# KiCad board DecentXE-Modern.kicad_pcb (continued)
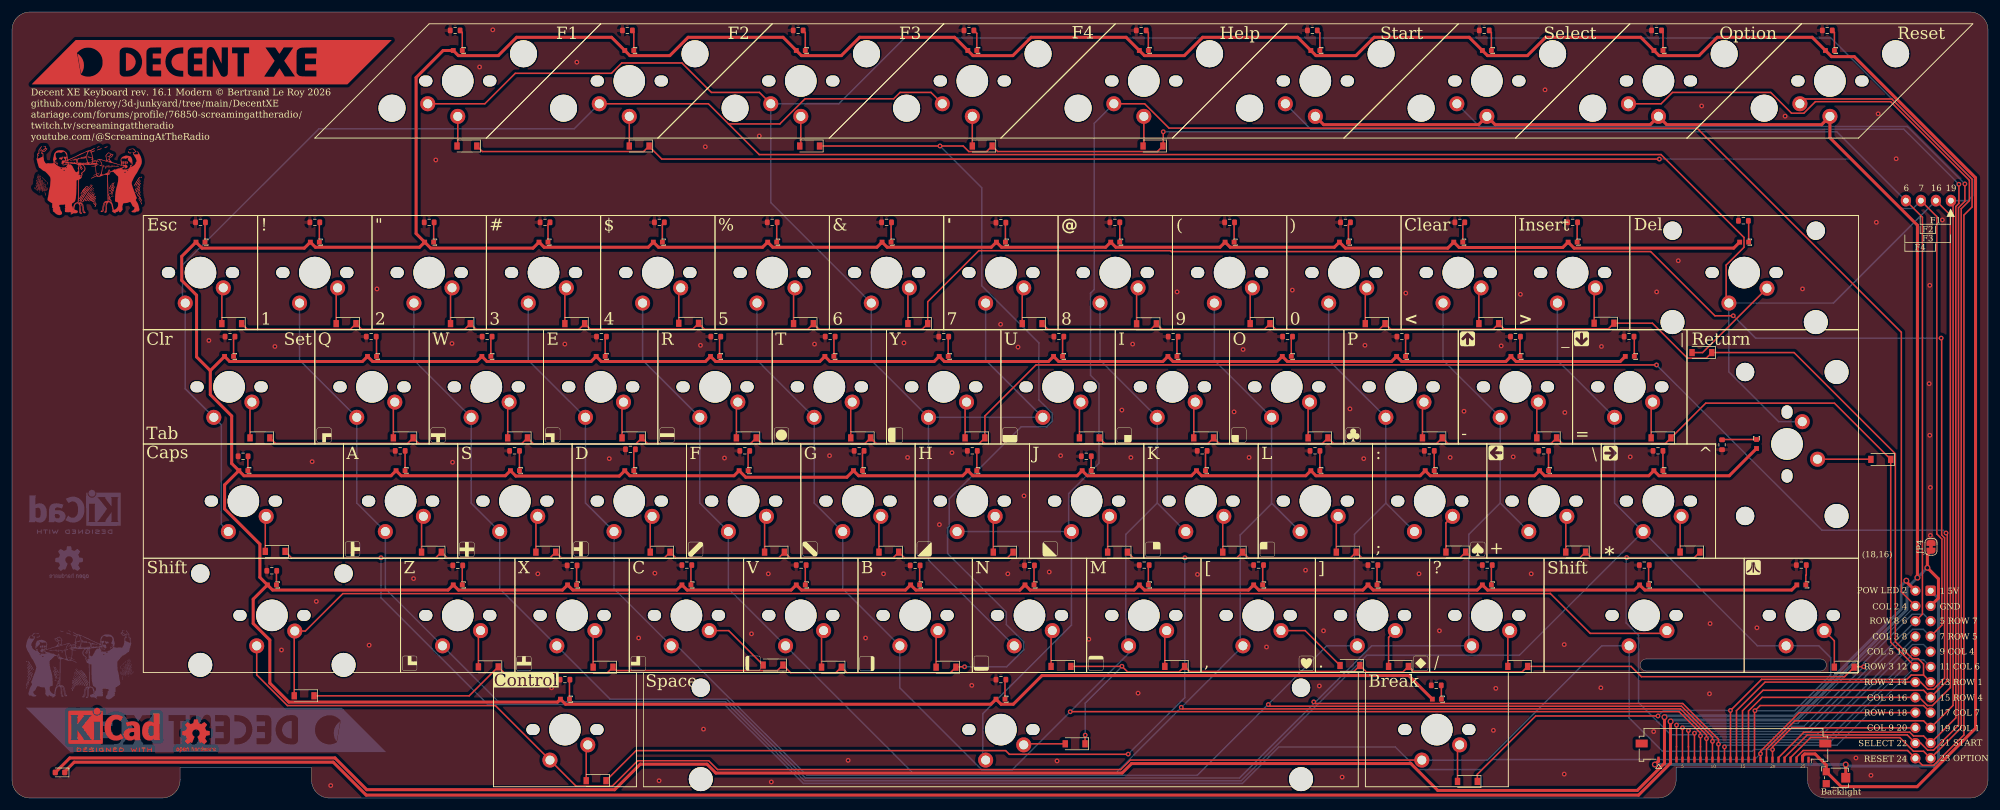
[diagram p0: board, top side]
## Nets (continued)
Net-(D109-A): D109.2 SWSlash1.2
Net-(D110-A): D110.2 SWX1.2
Net-(D111-A): D111.2 SWGT1.2
Net-(D112-A): D112.2 SW1.2
Net-(D113-A): D113.2 SWEqual1.2
Net-(D114-A): D114.2 SWQ1.2
Net-(D115-A): D115.2 SWStar1.2
Net-(D116-A): D116.2 SWA1.2
Net-(D117-A): D117.2 SWInv1.2
Net-(D118-A): D118.2 SWZ1.2
Net-(D119-A): D119.2 SWDel1.2
Net-(D120-A): D120.2 SWEsc1.2
Net-(D121-A): D121.2 SWRet1.2
Net-(D122-A): D122.2 SWTab1.2
Net-(D123-A): D123.2 SWFn2.2
Net-(D124-A): D124.2 SWCps1.2
Net-(D125-A): D125.2 SWFn4.2
Net-(D126-A): D126.2 SWBrk1.2
Net-(D127-A): D127.2 SWCtl1.2
Net-(D128-A): D128.2 SWLeftSft1.2 SWRightSft1.2
Net-(R1-Pad1): R1.1 SW7.3
Net-(R2-Pad1): R2.1 SW6.3
Net-(R3-Pad1): R3.1 SWU1.3
Net-(R4-Pad1): R4.1 SWY1.3
Net-(R5-Pad1): R5.1 SWFn1.3
Net-(R6-Pad1): R6.1 SWN1.3
Net-(R7-Pad1): R7.1 SWFn3.3
Net-(R8-Pad1): R8.1 SWJ1.3
Net-(R9-Pad1): R9.1 SWH1.3
Net-(R10-Pad1): R10.1 SWSpc1.3
Net-(R11-Pad1): R11.1 SWHlp1.3
Net-(R12-Pad1): R12.1 SW8.3
Net-(R13-Pad1): R13.1 SW5.3
Net-(R14-Pad1): R14.1 SWI1.3
Net-(R15-Pad1): R15.1 SWT1.3
Net-(R16-Pad1): R16.1 SWK1.3
Net-(R17-Pad1): R17.1 SWG1.3
Net-(R18-Pad1): R18.1 SWM1.3
Net-(R19-Pad1): R19.1 SWB1.3
Net-(R20-Pad1): R20.1 SW9.3
Net-(R21-Pad1): R21.1 SW4.3
Net-(R22-Pad1): R22.1 SWO1.3
Net-(R23-Pad1): R23.1 SWR1.3
Net-(R24-Pad1): R24.1 SWL1.3
Net-(R25-Pad1): R25.1 SWF1.3
Net-(R26-Pad1): R26.1 SWComma1.3
Net-(R27-Pad1): R27.1 SWV1.3
Net-(R28-Pad1): R28.1 SW0.3
Net-(R29-Pad1): R29.1 SW3.3
Net-(R30-Pad1): R30.1 SWP1.3
Net-(R31-Pad1): R31.1 SWE1.3
Net-(R32-Pad1): R32.1 SWSemi1.3
Net-(R33-Pad1): R33.1 SWD1.3
Net-(R34-Pad1): R34.1 SWPeriod1.3
Net-(R35-Pad1): R35.1 SWC1.3
Net-(R36-Pad1): R36.1 SWLT1.3
Net-(R37-Pad1): R37.1 SW2.3
Net-(R38-Pad1): R38.1 SWDash1.3
Net-(R39-Pad1): R39.1 SWW1.3
Net-(R40-Pad1): R40.1 SWPlus1.3
Net-(R41-Pad1): R41.1 SWS1.3
Net-(R42-Pad1): R42.1 SWSlash1.3
Net-(R43-Pad1): R43.1 SWX1.3
Net-(R44-Pad1): R44.1 SWGT1.3
Net-(R45-Pad1): R45.1 SW1.3
Net-(R46-Pad1): R46.1 SWEqual1.3
Net-(R47-Pad1): R47.1 SWQ1.3
Net-(R48-Pad1): R48.1 SWStar1.3
Net-(R49-Pad1): R49.1 SWA1.3
Net-(R50-Pad1): R50.1 SWInv1.3
Net-(R51-Pad1): R51.1 SWZ1.3
Net-(R52-Pad1): R52.1 SWDel1.3
Net-(R53-Pad1): R53.1 SWEsc1.3
Net-(R54-Pad1): R54.1 SWRet1.3
Net-(R55-Pad1): R55.1 SWTab1.3
Net-(R56-Pad1): R56.1 SWFn2.3
Net-(R57-Pad1): R57.1 SWCps1.3
Net-(R58-Pad1): R58.1 SWFn4.3
Net-(R59-Pad1): R59.1 SWRightSft1.3
Net-(R60-Pad1): R60.1 SWBrk1.3
Net-(R61-Pad1): R61.1 SWCtl1.3
Net-(R62-Pad1): R62.1 SWLeftSft1.3
Net-(R63-Pad1): R63.1 SWStart1.3
Net-(R64-Pad1): R64.1 SWSelect1.3
Net-(R65-Pad1): R65.1 SWOption1.3
Net-(R66-Pad1): R66.1 SWReset1.3

Pads without a net: J2 MP; RV1 3

## Via types
v1: diameter 1, hole 0.6, Top to Bottom, 7 vias
v2: diameter 0.8, hole 0.4, Top to Bottom, 139 vias

## Routing (per net, layer and track width the routed paths; a pad name or vN(x,y) marks a point on that pad's centre or on a via; arc(x,y) is an arc through that point)
GND: length 518
  Top w0.5: v1(276.32,12.76) 276.3,12.74 J2.3 276.3,5.8 270.98,0.48 59.01,0.48 53.51,5.98 10.36,5.98 8.79,4.41 ; SWStart1.2 218.52,112.26 244.33,112.26 SWSelect1.2 247.1,112.26 272.91,112.26 SWOption1.2 275.69,112.26 301.48,112.26 SWReset1.2 302.86,110.08 317.44,95.5 v1(317.44,36.74) ; JP4.1 319.1,40.63 v1(319.1,38.38) 320.94,36.54 320.94,33.32 J1.3
  Bottom w0.5: v1(276.32,12.76) 276.57,13.01 297.28,13.01 315.69,31.42 315.69,34.99 v1(317.44,36.74) 319.08,38.38 v1(319.1,38.38)
VCC_LED: length 1770.5
  Top w0.5: SW2.4 67.9,91.83 50.55,91.83 SW1.4 48.7,91.68 31.65,91.68 SWEsc1.4 28.27,90.3 28.27,86.31 30.75,83.83 30.75,73.54 33.04,71.25 ; SW2.4 69.75,91.68 86.8,91.68 SW3.4 88.65,91.83 106,91.83 SW4.4 107.7,91.83 125.05,91.83 SW5.4 126.75,91.83 144.1,91.83 SW6.4 145.8,91.83 163.15,91.83 SW7.4 164.85,91.83 182.2,91.83 SW8.4 183.9,91.83 201.25,91.83 SW9.4 202.95,91.83 220.3,91.83 SW0.4 222.15,91.68 239.2,91.68 SWLT1.4 241.1,91.78 258.35,91.78 SWGT1.4 260.25,91.68 286.82,91.68 SWDel1.4 ; SW2.4 67.32,94.11 67.32,120.12 71.83,124.63 SWFn1.4 74.36,123.78 81.02,123.78 84.07,126.84 99.88,126.84 SWFn2.4 102.94,123.78 109.59,123.78 112.65,126.84 128.46,126.84 SWFn3.4 131.51,123.78 138.17,123.78 141.22,126.84 157.03,126.84 SWFn4.4 160.09,123.78 166.74,123.78 169.8,126.84 185.61,126.84 SWHlp1.4 188.66,123.78 195.32,123.78 198.37,126.84 214.18,126.84 SWStart1.4 217.24,123.78 223.89,123.78 226.95,126.84 242.76,126.84 SWSelect1.4 245.81,123.78 252.47,123.78 255.52,126.84 271.34,126.84 SWOption1.4 274.4,123.78 281.05,123.78 284.11,126.84 299.91,126.84 SWReset1.4 303.14,123.61 306.92,123.61 327.13,103.4 327.13,11.63 317.38,1.88 304.76,1.88 RV1.1 302.25,5.48 300.39,7.34 298.65,7.34 298.3,6.99 J2.25 ; SWCps1.4 38.64,53.73 63.14,53.73 SWA1.4 64.84,53.73 82.19,53.73 SWS1.4 83.94,53.68 101.19,53.68 SWD1.4 102.94,53.73 120.29,53.73 SWF1.4 122.24,53.48 139.09,53.48 SWG1.4 141.04,53.73 158.39,53.73 SWH1.4 160.09,53.73 177.44,53.73 SWJ1.4 179.14,53.73 196.49,53.73 SWK1.4 198.19,53.73 215.54,53.73 SWL1.4 217.24,53.73 234.59,53.73 SWSemi1.4 236.29,53.73 253.64,53.73 SWPlus1.4 255.34,53.73 272.69,53.73 SWStar1.4 274.39,53.73 286.09,53.73 SWRet1.4 ; SWCps1.4 35.42,52.2 35.42,48.21 41.3,42.33 41.3,36.79 SWLeftSft1.4 ; SWCps1.4 36.6,55.77 36.6,63.69 33.04,67.26 33.04,71.25 ; 33.04,71.25 SWTab1.4 36.26,72.78 58.37,72.78 SWQ1.4 60.08,72.78 77.42,72.78 SWW1.4 79.13,72.78 96.47,72.78 SWE1.4 98.18,72.78 115.52,72.78 SWR1.4 117.23,72.78 134.57,72.78 SWT1.4 136.28,72.78 153.62,72.78 SWY1.4 155.33,72.78 172.67,72.78 SWU1.4 174.38,72.78 191.72,72.78 SWI1.4 193.43,72.78 210.77,72.78 SWO1.4 212.48,72.78 229.82,72.78 SWP1.4 231.53,72.78 248.87,72.78 SWDash1.4 250.58,72.78 267.92,72.78 SWEqual1.4 ; SWLeftSft1.4 43.41,34.68 72.66,34.68 SWZ1.4 74.36,34.68 91.71,34.68 SWX1.4 93.41,34.68 110.76,34.68 SWC1.4 112.46,34.68 129.81,34.68 SWV1.4 131.51,34.68 148.86,34.68 SWB1.4 150.56,34.68 167.91,34.68 SWN1.4 169.61,34.68 186.96,34.68 SWM1.4 188.66,34.68 206.01,34.68 SWComma1.4 207.71,34.68 225.06,34.68 SWPeriod1.4 226.76,34.68 244.11,34.68 SWSlash1.4 245.81,34.68 270.31,34.68 SWRightSft1.4 272.01,34.68 296.5,34.68 SWInv1.4 ; SWLeftSft1.4 40.18,33.15 40.18,29.1 42.95,26.33 42.95,19.16 46.12,15.99 90.88,15.99 SWCtl1.4 92.22,15.63 163.08,15.63 SWSpc1.4 164.79,15.63 166.81,15.63 171.59,20.41 232.7,20.41 SWBrk1.4
COL_1: length 553.9
  Top w0.25: 323.38,99.23 323.38,15.44 J1.19 318.46,12.88 297.03,12.88 292.3,8.14 J2.19 ; SWFn3.1 124.52,117.64 116.52,117.64 111.61,122.55 101.59,122.55 99.87,120.83 83.85,120.83 78.77,115.75 SWFn1.1
  Bottom w0.25: 152.69,63.47 SWU1.1 162.21,72.99 SW7.1 ; 152.69,63.47 152.69,39.66 SWN1.1 ; 152.69,63.47 143.16,72.99 SW6.1 126.41,99.27 SWFn3.1 137.74,115.75 148.7,126.71 303.04,126.71 326.68,103.07 326.68,100.43 325.84,99.6 J3.1
COL_2: length 385.3
  Top w0.25: J2.4 277.3,8.53 277.31,8.54 v2(277.31,12.16) ; J1.4 314.76,34.36 314.76,77.65 280.72,111.69 192.75,111.69 188.69,115.75 SWHlp1.1
  Bottom w0.25: SWH1.1 SWJ1.1 176.5,28.82 161.75,14.07 161.75,6.78 ; SWHlp1.1 180.3,112.49 180.3,84.79 179.68,84.17 179.68,70.48 181.08,69.08 181.08,55.79 176.04,50.74 176.04,44.88 ; J1.4 297.51,12.44 277.58,12.44 v2(277.31,12.16)
COL_3: length 350.2
  Top w0.25: J2.8 281.3,8.53 v2(281.3,10.36) 281.3,10.83 277.73,14.4 176.32,14.4 v2(176.3,14.38)
  Bottom w0.25: SW5.1 124.11,72.99 SWT1.1 133.63,49.18 SWG1.1 138.4,34.89 SWB1.1 147.92,18.36 161.6,4.68 166.6,4.68 186.02,24.1 SWM1.1 ; 190.79,49.18 SWI1.1 181.26,72.99 SW8.1 ; 190.79,49.18 SWK1.1 ; 190.79,49.18 185.56,43.96 185.56,25.83 ; J1.8 300.79,10.63 281.57,10.63 v2(281.3,10.36)
COL_4: length 368.1
  Top w0.25: J2.9 v2(282.3,9.91) 282.3,10.52 277.97,14.85 195.07,14.85 v2(194.79,15.13)
  Bottom w0.25: J1.9 318.46,25.58 316.61,25.58 301.22,10.18 282.57,10.18 v2(282.3,9.91) ; 209.83,49.18 SWL1.1 ; 209.83,49.18 SWO1.1 200.31,72.99 SW9.1 ; 209.83,49.18 209.83,49.05 204.61,43.83 204.61,25.83 ; SW4.1 105.06,72.99 114.58,63.47 114.58,49.18 SWF1.1 119.35,34.89 SWV1.1 150.01,4.23 183.94,4.23 SWComma1.1
COL_5: length 387.7
  Top w0.25: v2(209.3,15.58) 209.57,15.3 278.15,15.3 283.3,10.16 v2(283.3,9.45) J2.10
  Bottom w0.25: J1.10 302.41,9.71 283.55,9.71 v2(283.3,9.45) ; SWPeriod1.1 219.05,25.37 197.46,3.78 132.4,3.78 110.81,25.37 ; SW3.1 86.01,72.99 SWE1.1 95.53,49.18 SWD1.1 100.3,34.89 SWC1.1 ; 228.88,49.18 SWSemi1.1 ; 228.88,49.18 223.66,43.96 223.66,25.83 ; 228.88,49.18 SWP1.1 219.36,72.99 SW0.1
COL_6: length 422.3
  Top w0.25: J2.11 v2(284.3,8.98) 284.3,9.79 278.34,15.75 217.14,15.75 v2(216.87,16.03)
  Bottom w0.25: v2(284.3,8.98) 284.57,9.26 302.83,9.26 316.61,23.04 318.46,23.04 J1.11 ; 247.94,49.18 242.71,43.96 242.71,25.83 ; 247.94,49.18 SWPlus1.1 ; 247.94,49.18 247.94,63.47 238.41,72.99 SWLT1.1 ; SW2.1 66.96,72.99 SWW1.1 76.48,49.18 SWS1.1 81.25,34.89 SWX1.1 99.66,16.48 119.06,16.48 132.21,3.33 204.49,3.33 226.53,25.37 SWSlash1.1
COL_7: length 433.8
  Top w0.25: J2.17 290.3,14.49 v2(290.38,14.56) 291.23,15.42 318.46,15.42 J1.17
  Bottom w0.25: SWGT1.1 257.46,72.99 SWEqual1.1 266.99,49.18 SWStar1.1 ; v2(290.38,14.56) 297.02,14.56 303,20.54 303,23.38 301.01,25.37 SWInv1.1 290.8,25.37 SWStar1.1 ; SWStar1.1 251.12,23.79 225.7,23.79 204.79,2.88 132.02,2.88 118.87,16.03 81.06,16.03 SWZ1.1 62.2,34.89 SWA1.1 57.44,49.18 57.44,63.47 47.91,72.99 SW1.1
COL_8: length 572.5
  Top w0.25: SWFn2.1 116.01,115.75 119.37,112.39 ; 317.74,16.78 319.1,15.42 319.94,15.42 322.93,18.41 322.93,97.19 J3.2 ; 119.37,112.39 124.48,107.28 274.72,107.28 288.55,93.45 288.55,91.82 285.57,88.84 285.57,82.98 ; 119.37,112.39 127.92,112.39 132.11,116.58 146.89,116.58 147.95,117.64 153.1,117.64 SWFn4.1 ; J2.16 289.3,14.51 291.57,16.78 J1.16
  Bottom w0.25: J3.2 303.44,82.52 SWDel1.1 286.03,71.04 294.33,62.74 SWRet1.1 ; SWEsc1.1 28.86,68.23 SWTab1.1 34.87,62.22 34.87,45.59 SWCps1.1 ; 28.4,82.98 28.4,88.84 51.13,111.57 93.66,111.57 SWFn2.1
COL_9: length 317.7
  Top w0.25: J1.20 296.5,11.7 293.3,8.5 J2.20 ; SWBrk1.1 186.29,6.32 184.71,4.74 117.54,4.74 116.06,6.22 104.24,6.22 99.98,1.97 93.98,1.97 SWCtl1.1 80.53,15.41 45.88,15.41 40.77,20.53 SWLeftSft1.1
  Bottom w0.25: SWBrk1.1 245.8,6.32 264.85,25.37 SWRightSft1.1 269.41,13.37 274.98,7.8 289.95,7.8 290.25,8.11 293.27,8.11 v2(293.3,8.08)
LED_GND:
  vias: v2(32.8,76.28) v2(43.8,75.28) v2(44.9,24.68) v2(50,56.08) v2(50.7,32.78) v2(53.1,2.08) v2(59.5,25.48) v2(60.8,84.88) v2(66.9,36.58) v2(70.6,106.38) v2(73.3,75.78) v2(73.4,55.98) v2(77.9,121.88) v2(80.1,128.08) v2(87.6,37.38) v2(89.9,18.38) v2(92.1,75.68) v2(94.1,122.68) v2(99.5,56.58) v2(104.4,26.68) v2(107.1,37.48) v2(107.8,2.88) v2(114.7,75.48) v2(115.2,11.48) v2(115.5,108.58) v2(118.7,56.68) v2(123.2,27.38) v2(124.5,110.38) v2(126,37.38) v2(126.5,2.68) v2(133.7,75.68) v2(136.2,57.08) v2(139.3,6.28) v2(142.2,26.68) v2(145.2,37.38) v2(148.6,75.88) v2(149.2,56.78) v2(154.5,45.58) v2(156.6,57.58) v2(159.9,18.78) v2(164.7,78.98) v2(165.9,37.38) v2(167.6,75.18) v2(168.6,50.38) v2(172.8,37.68) v2(174.1,6.18) v2(174.7,57.08) v2(179.4,26.48) v2(184.9,64.68) v2(186.4,56.78) v2(186.7,75.68) v2(187.6,17.48) v2(194.1,84.38) v2(197.5,37.28) v2(203.6,64.38) v2(205.1,74.78) v2(206.1,56.78) v2(209,25.18) v2(213.3,84.68) v2(215.5,37.98) v2(217.8,18.68) v2(218.5,27.88) v2(221.6,3.48) v2(222.9,64.88) v2(225.2,56.58) v2(225.4,75.48) v2(232.2,84.18) v2(234.4,37.38) v2(237.8,27.88) v2(239.6,56.78) v2(241.9,64.48) v2(246.8,11.28) v2(247.2,18.28) v2(248.1,75.38) v2(250.1,56.88) v2(251.3,83.98) v2(253.1,37.38) v2(255.4,118.08) v2(258.6,25.58) v2(258.6,3.98) v2(258.7,64.28) v2(264.7,18.38) v2(264.8,75.28) v2(269.6,56.88) v2(273.5,11.08) v2(274,84.38) v2(277.6,89.58) v2(281.5,115.38) v2(282.8,17.38) v2(282.9,29.08) v2(290.7,28.38) v2(295.4,113.68) v2(298.3,84.88) v2(307.2,6.68) v2(309.7,3.78) v2(310.6,95.98) v2(310.9,114.08) v2(313.9,106.58) v2(319.4,69.08) v2(319.5,85.48) v2(319.5,60.48) v2(319.6,51.78) v2(319.6,43.78) v2(321.6,96.38)
OPTION: length 190.4
  Top w0.25: SWOption1.1 274.74,115.75 276.64,117.64 293,117.64 296.47,114.17 298.52,114.17 300.44,116.1 312.98,116.1 326.1,102.98 326.1,99.6 324.74,98.24 324.74,11.72 J1.23 318.46,7.8 316.78,7.8 314.51,10.07 299.62,10.07 296.3,6.74
POWER: length 79.9
  Top w0.5: v1(273.7,5.58) 274.3,6.18 J2.1 ; v1(305.5,5.58) 305.5,3.39
  Bottom w0.5: J1.1 320.94,33.26 320.94,6.08 320.18,5.32 305.76,5.32 v1(305.5,5.58) v1(273.7,5.58)
PWR_LED: length 340.1
  Top w0.5: D1.2 9.63,6.68 53.8,6.68 59.1,1.38 100.4,1.38 104.66,5.64 115.78,5.64 117.26,4.17 184.95,4.17 186.53,5.74 233.05,5.74 237.53,1.26 270.77,1.26 275.3,5.79 J2.2 v1(275.3,13.48) ; v1(315.59,36.23) 315.59,36.07 J1.2
  Bottom w0.5: v1(275.3,13.48) 275.3,13.65 275.36,13.71 296.99,13.71 314.74,31.47 314.74,35.38 v1(315.59,36.23)
RESET: length 159.7
  Top w0.25: J2.24 297.3,6.81 298.41,7.92 315.8,7.92 J1.24 318.28,5.44 320.13,5.44 325.19,10.5 325.19,97.18 326.55,98.54 326.55,103.17 313.17,116.55 298.66,116.55 SWReset1.1
ROW_1: length 287.4
  Top w0.25: D126.1 244.12,3.96 253.84,13.68 v2(274.22,13.68) ; 318.46,20.5 316.4,20.5 315.68,19.78 291.48,19.78 v2(286.3,14.6) J2.13 ; 318.46,20.5 318.46,22.35 317.59,23.22 316.61,23.22 313.77,26.07 313.77,57.39 296.89,74.27 D119.1 282.26,73.34 279.11,73.34 273.29,79.16 D111.1 265.96,78.24 248.53,78.24 D103.1 246.75,78.16 229.68,78.16 228.76,79.09 227.83,78.16 210.51,78.16 D87.1 208.65,78.16 191.56,78.16 D79.1 189.73,78.15 172.55,78.15 D68.1 ; 318.46,20.5 J1.13
  Bottom w0.25: v2(274.22,13.68) 275.14,14.6 v2(286.3,14.6)
ROW_2: length 403.9
  Top w0.25: v2(286.76,80.4) 283.7,80.4 273,91.1 193.15,91.1 193,91.25 161.07,91.25 152.56,82.74 D69.1 151.63,78.16 134.43,78.16 D80.1 132.58,78.16 115.36,78.16 D88.1 113.45,78.22 96.28,78.22 D96.1 94.48,78.16 77.28,78.16 D104.1 75.43,78.16 58.23,78.16 D112.1 56.38,78.16 39.18,78.16 D120.1 ; J2.14 287.3,14.56 292.06,19.32 J1.14 317.98,19.32 319.15,18.14 320.13,18.14 321.97,19.98 321.97,43.37 321.48,43.85 321.48,76.6 v2(321.4,76.68)
  Bottom w0.25: v2(321.4,76.68) 290.48,76.68 v2(286.76,80.4)
ROW_3: length 217.8
  Top w0.25: J1.12 312.99,25.97 D121.1 303.62,65.83 282.17,65.83 D113.1 275.46,59.11 258.26,59.11 D105.1 256.41,59.11 239.21,59.11 D97.1 237.36,59.11 220.16,59.11 D89.1 218.31,59.11 201.11,59.11 D81.1 199.26,59.11 182.06,59.11 D70.1 ; J2.12 v2(285.3,8.53)
  Bottom w0.25: J1.12 304.04,8.81 285.43,8.81 285.3,8.68 v2(285.3,8.53)
ROW_4: length 372.7
  Top w0.25: v2(322.21,44.18) 322.21,44.15 322.42,43.94 322.42,19.56 J1.15 318.46,17.96 291.72,17.96 288.3,14.54 J2.15 ; D122.1 43.88,59.11 65.91,59.11 D114.1 67.76,59.11 84.96,59.11 D106.1 86.86,59.06 103.95,59.06 D98.1 105.86,59.11 123.06,59.11 D90.1 124.91,59.11 142.11,59.11 D82.1 143.96,59.11 161.16,59.11 D71.1 162.08,63.69 170.59,72.2 v2(273.98,72.2)
  Bottom w0.25: v2(273.98,72.2) 301.52,44.66 321.73,44.66 v2(322.21,44.18)
ROW_5: length 634.4
  Top w0.25: v2(274.45,106.53) 108.25,106.53 106.14,108.64 ; D123.1 105.21,107.78 78.36,107.78 D72.1 ; 185.93,7.28 166.16,7.28 165.55,7.9 103.97,7.9 D127.1 ; D75.1 186.76,40.06 v2(195.4,40.06) 204.08,40.06 D83.1 205.93,40.06 223,40.06 D91.1 224.84,40.08 241.26,40.08 D99.1 243.12,40.08 261.23,40.08 D107.1 263.08,40.08 v2(269,40.08) 280.28,40.08 D115.1 ; J3.3 320.67,96.94 320.67,44.02 321.52,43.18 321.52,28.82 J1.7 ; v2(280.3,10.81) J2.7
  Bottom w0.25: J3.3 316.72,98.3 314.68,98.3 306.45,106.53 v2(274.45,106.53) ; 185.93,7.28 195.4,16.76 v2(195.4,40.06) ; v2(269,40.08) 268.91,39.99 268.91,29.21 270.98,27.13 270.98,15.88 276.33,10.53 280.02,10.53 v2(280.3,10.81) 280.57,11.08 299.58,11.08 316.61,28.12 318.46,28.12 J1.7
  vias: v2(185.96,7.32)
ROW_6: length 410.3
  Top w0.25: J1.18 297.76,14.24 291.3,7.78 v2(291.3,7.38) J2.18 ; D124.1 46.55,40.06 70.61,40.06 D116.1 72.46,40.06 89.65,40.06 D108.1 91.51,40.06 108.7,40.06 D100.1 110.56,40.06 127.76,40.06 D92.1 129.61,40.06 146.81,40.06 D84.1 148.66,40.06 165.86,40.06 166.78,40.99
  Bottom w0.25: v2(61.47,40.06) 61.47,33.39 79.28,15.58 118.68,15.58 131.84,2.43 204.97,2.43 211.05,8.51 230.46,8.51 234.23,4.74 244.86,4.74 246.53,6.41 290.33,6.41 v2(291.3,7.38)
ROW_7: length 207.4
  Top w0.25: D117.1 305.32,20.23 271.45,20.23 269.74,21.94 D109.1 251.58,21.01 233.57,21.01 D101.1 231.71,21.01 225.63,21.01 D93.1 223.55,21.09 196.21,21.09 D85.1 194.43,21.01 185.86,21.01 v2(184.91,21.97) 184.89,21.94 D73.1 ; v2(178.8,10.48) 178.77,10.45 D77.1 ; v2(308.49,21.89) 306.98,21.89 ; v2(278.3,11.71) J2.5
  Bottom w0.25: v2(184.91,21.97) 184.91,21.93 178.8,15.81 v2(178.8,10.48) ; J1.5 318.46,30.66 316.61,30.66 308.49,22.53 v2(308.49,21.89) 298.58,11.98 278.57,11.98 v2(278.3,11.71)
ROW_8: length 542.6
  Top w0.25: D74.1 v2(154.6,108.71) 158.47,108.71 159.4,107.78 162.36,107.78 D125.1 164.22,107.78 190.81,107.78 D78.1 ; v2(279.29,11.26) 279.29,8.54 279.3,8.53 J2.6 ; D86.1 156.33,20.89 139.09,20.89 D94.1 137.24,20.89 129.72,20.89 D102.1 127.51,21.24 100.69,21.24 D110.1 99.19,20.89 81.98,20.89 D118.1 76.17,17.04 D128.1 ; v2(158.7,21.88) 157.32,21.88 ; v2(191.8,111.08) 191.8,108.77 ; J3.4 318.28,96.84 318.28,30.66 J1.6
  Bottom w0.25: v2(279.29,11.26) 279.56,11.53 299.15,11.53 J1.6 ; J3.4 315.48,99.6 304.02,111.06 191.82,111.06 v2(191.8,111.08) ; v2(154.6,108.71) 161.56,101.75 161.56,85.4 171.08,75.88 171.08,66.35 173.31,64.12 173.31,62.82 172.39,61.89 168.14,61.89 156.13,49.89 156.13,45.33 155.87,45.07 155.87,40.77 165.66,30.98 165.66,28.91 168.55,26.02 168.55,24.72 165.71,21.88 v2(158.7,21.88)
SELECT: length 214.2
  Top w0.25: v2(325.35,102.38) 325.35,99.49 324.28,98.43 324.28,12.14 320.13,7.98 319.15,7.98 317.98,9.16 J1.22 315.74,10.52 299.07,10.52 295.3,6.74
  Bottom w0.25: v2(325.35,102.38) 315.77,111.97 244.5,111.97 SWSelect1.1
START: length 240.7
  Top w0.25: v2(324.35,102.33) 324.35,99.13 323.83,98.61 323.83,13.35 J1.21 318.46,10.34 316.8,10.34 316.17,10.97 298.53,10.97 294.3,6.74
  Bottom w0.25: SWStart1.1 216.37,111.51 315.17,111.51 v2(324.35,102.33)
Net-(D68-A): length 5.7
  Top w0.25: D68.2 168.31,84.82
Net-(D69-A): length 5.7
  Top w0.25: D69.2 149.26,84.82
Net-(D70-A): length 5.7
  Top w0.25: D70.2 177.83,65.77
Net-(D71-A): length 5.7
  Top w0.25: D71.2 158.78,65.77
Net-(D72-A): length 4.8
  Top w0.25: SWFn1.2 74.26,108.83
Net-(D73-A): length 5.8
  Top w0.25: D73.2 173.11,27.71
Net-(D74-A): length 4.8
  Top w0.25: SWFn3.2 131.41,108.88
Net-(D75-A): length 5.7
  Top w0.25: D75.2 182.53,46.65
Net-(D76-A): length 5.7
  Top w0.25: D76.2 163.48,46.65
Net-(D77-A): length 6.7
  Top w0.25: D77.2 168.73,9.04
Net-(D78-A): length 4.8
  Top w0.25: SWHlp1.2 188.56,108.83
Net-(D79-A): length 5.7
  Top w0.25: D79.2 187.36,84.82
Net-(D80-A): length 5.7
  Top w0.25: D80.2 130.21,84.82
Net-(D81-A): length 5.7
  Top w0.25: D81.2 196.88,65.77
Net-(D82-A): length 5.7
  Top w0.25: D82.2 139.73,65.77
Net-(D83-A): length 5.8
  Top w0.25: D83.2 201.71,46.78
Net-(D84-A): length 5.7
  Top w0.25: D84.2 144.43,46.65
Net-(D85-A): length 5.7
  Top w0.25: D85.2 192.06,27.6
Net-(D86-A): length 5.8
  Top w0.25: D86.2 153.96,27.6
Net-(D87-A): length 5.6
  Top w0.25: D87.2 206.28,84.69
Net-(D88-A): length 5.6
  Top w0.25: D88.2 111.08,84.74
Net-(D89-A): length 5.7
  Top w0.25: D89.2 215.93,65.77
Net-(D90-A): length 5.7
  Top w0.25: D90.2 120.68,65.77
Net-(D91-A): length 5.7
  Top w0.25: D91.2 220.63,46.65
Net-(D92-A): length 5.7
  Top w0.25: D92.2 125.38,46.65
Net-(D93-A): length 12.2
  Top w0.25: D93.2 215.44,27.91 SWComma1.2
Net-(D94-A): length 5.8
  Top w0.25: D94.2 134.87,27.57
Net-(D95-A): length 5.7
  Top w0.25: D95.2 225.46,84.82
Net-(D96-A): length 5.7
  Top w0.25: D96.2 92.11,84.82
Net-(D97-A): length 5.7
  Top w0.25: D97.2 234.98,65.77
Net-(D98-A): length 5.7
  Top w0.25: D98.2 101.63,65.77
Net-(D99-A): length 6.4
  Top w0.25: D99.2 238.89,45.86 SWSemi1.2
Net-(D100-A): length 5.7
  Top w0.25: D100.2 106.33,46.65
Net-(D101-A): length 6.4
  Top w0.25: D101.2 229.34,26.79 SWPeriod1.2
Net-(D102-A): length 11.4
  Top w0.25: D102.2 119.4,27.91 SWC1.2
Net-(D103-A): length 5.6
  Top w0.25: D103.2 244.38,84.69
Net-(D104-A): length 5.7
  Top w0.25: D104.2 73.06,84.82
Net-(D105-A): length 5.7
  Top w0.25: D105.2 254.03,65.77
Net-(D106-A): length 5.7
  Top w0.25: D106.2 82.58,65.77
Net-(D107-A): length 5.8
  Top w0.25: D107.2 258.86,46.78
Net-(D108-A): length 5.7
  Top w0.25: D108.2 87.28,46.65
Net-(D109-A): length 5.7
  Top w0.25: D109.2 249.21,27.6
Net-(D110-A): length 5.8
  Top w0.25: D110.2 96.82,27.62
Net-(D111-A): length 5.7
  Top w0.25: D111.2 263.58,84.84
Net-(D112-A): length 5.7
  Top w0.25: 54.01,79.09 54.01,84.82
Net-(D113-A): length 5.7
  Top w0.25: D113.2 273.08,65.77
Net-(D114-A): length 5.7
  Top w0.25: D114.2 63.53,65.77
Net-(D115-A): length 5.8
  Top w0.25: D115.2 277.91,46.78
Net-(D116-A): length 5.7
  Top w0.25: D116.2 68.23,46.65
Net-(D117-A): length 6.8
  Top w0.25: D117.2 303.6,26.21 SWInv1.2
Net-(D118-A): length 5.7
  Top w0.25: D118.2 77.7,27.55
Net-(D119-A): length 16.9
  Top w0.25: D119.2 281.65,74.27 SWDel1.2
Net-(D120-A): length 5.7
  Top w0.25: D120.2 34.96,84.82
Net-(D121-A): length 8.9
  Top w0.25: SWRet1.2 309.66,56.48
Net-(D122-A): length 5.7
  Top w0.25: D122.2 39.66,65.7
Net-(D123-A): length 4.9
  Top w0.25: SWFn2.2 102.84,108.71
Net-(D124-A): length 5.7
  Top w0.25: D124.2 42.2,46.81
Net-(D125-A): length 4.9
  Top w0.25: SWFn4.2 159.99,108.71
Net-(D126-A): length 5.7
  Top w0.25: D126.2 240.82,8.51
Net-(D127-A): length 5.7
  Top w0.25: D127.2 95.66,8.6
Net-(D128-A): length 244.2
  Top w0.25: 275.25,27.45 262.93,27.45 256.28,34.1 256.25,34.08 55.11,34.08 48.87,27.84 SWLeftSft1.2 ; D128.2 47.02,27.76
Net-(R1-Pad1): length 3.2
  Top w0.25: SW7.3 165.5,95.86
Net-(R2-Pad1): length 3.2
  Top w0.25: SW6.3 146.45,95.91
Net-(R3-Pad1): length 3.1
  Top w0.25: SWU1.3 175.02,76.73
Net-(R4-Pad1): length 3.2
  Top w0.25: SWY1.3 155.98,76.86
Net-(R5-Pad1): length 3.5
  Top w0.25: SWFn1.3 75.01,127.62 R5.1
Net-(R6-Pad1): length 3.2
  Top w0.25: SWN1.3 170.26,38.71
Net-(R7-Pad1): length 3.5
  Top w0.25: SWFn3.3 132.16,127.62 R7.1
Net-(R8-Pad1): length 2.4
  Top w0.25: R8.1 179.79,56.97 SWJ1.3
Net-(R9-Pad1): length 3.2
  Top w0.25: SWH1.3 160.74,57.81
Net-(R10-Pad1): length 3.1
  Top w0.25: SWSpc1.3 165.44,19.59
Net-(R11-Pad1): length 3.5
  Top w0.25: 188.95,127.98 189.31,127.62 SWHlp1.3
Net-(R12-Pad1): length 3.3
  Top w0.25: SW8.3 184.55,95.97
Net-(R13-Pad1): length 3.2
  Top w0.25: SW5.3 127.4,95.91
Net-(R14-Pad1): length 3.1
  Top w0.25: SWI1.3 194.07,76.73
Net-(R15-Pad1): length 3.1
  Top w0.25: SWT1.3 136.93,76.73
Net-(R16-Pad1): length 3
  Top w0.25: SWK1.3 198.84,57.62
Net-(R17-Pad1): length 3
  Top w0.25: SWG1.3 141.69,57.62
Net-(R18-Pad1): length 3.2
  Top w0.25: SWM1.3 189.31,38.69
Net-(R19-Pad1): length 3.2
  Top w0.25: SWB1.3 151.21,38.71
Net-(R20-Pad1): length 3.2
  Top w0.25: SW9.3 203.6,95.91
Net-(R21-Pad1): length 3.4
  Top w0.25: R21.1 108.35,95.65 SW4.3
Net-(R22-Pad1): length 3.1
  Top w0.25: SWO1.3 213.12,76.73
Net-(R23-Pad1): length 3.1
  Top w0.25: SWR1.3 117.88,76.73
Net-(R24-Pad1): length 3.3
  Top w0.25: SWL1.3 217.89,57.87
Net-(R25-Pad1): length 3
  Top w0.25: SWF1.3 122.64,57.62
Net-(R26-Pad1): length 3.2
  Top w0.25: SWComma1.3 208.36,38.69
Net-(R27-Pad1): length 3.2
  Top w0.25: SWV1.3 132.16,38.69
Net-(R28-Pad1): length 3.4
  Top w0.25: R28.1 222.65,95.65 SW0.3
Net-(R29-Pad1): length 3.4
  Top w0.25: SW3.3 89.3,95.65 R29.1
Net-(R30-Pad1): length 3.1
  Top w0.25: SWP1.3 232.18,76.73
Net-(R31-Pad1): length 3.1
  Top w0.25: SWE1.3 98.83,76.73
Net-(R32-Pad1): length 3.3
  Top w0.25: SWSemi1.3 236.94,57.87
Net-(R33-Pad1): length 3.3
  Top w0.25: SWD1.3 103.59,57.87
Net-(R34-Pad1): length 3.2
  Top w0.25: SWPeriod1.3 227.41,38.69
Net-(R35-Pad1): length 3.2
  Top w0.25: SWC1.3 113.11,38.69
Net-(R36-Pad1): length 3.4
  Top w0.25: SWLT1.3 241.7,95.65 R36.1
Net-(R37-Pad1): length 3.2
  Top w0.25: SW2.3 70.25,95.91
Net-(R38-Pad1): length 3.2
  Top w0.25: SWDash1.3 251.22,76.86
Net-(R39-Pad1): length 3.1
  Top w0.25: SWW1.3 79.78,76.73
Net-(R40-Pad1): length 3.3
  Top w0.25: SWPlus1.3 255.99,57.87
Net-(R41-Pad1): length 3.3
  Top w0.25: SWS1.3 84.54,57.87
Net-(R42-Pad1): length 3.2
  Top w0.25: SWSlash1.3 246.46,38.69
Net-(R43-Pad1): length 3.2
  Top w0.25: SWX1.3 94.06,38.71
Net-(R44-Pad1): length 3.2
  Top w0.25: SWGT1.3 260.75,95.91
Net-(R45-Pad1): length 3.2
  Top w0.25: SW1.3 51.2,95.91
Net-(R46-Pad1): length 3.2
  Top w0.25: SWEqual1.3 270.27,76.88
Net-(R47-Pad1): length 3.2
  Top w0.25: SWQ1.3 60.72,76.88
Net-(R48-Pad1): length 3.3
  Top w0.25: SWStar1.3 275.04,57.87
Net-(R49-Pad1): length 3.3
  Top w0.25: SWA1.3 65.49,57.87
Net-(R50-Pad1): length 3.3
  Top w0.25: SWInv1.3 298.85,37.13 298.93,37.2 R50.1
Net-(R51-Pad1): length 3.2
  Top w0.25: SWZ1.3 75.01,38.71
Net-(R52-Pad1): length 3.5
  Top w0.25: SWDel1.3 289.32,96.18
Net-(R53-Pad1): length 3.2
  Top w0.25: SWEsc1.3 32.15,95.91
Net-(R54-Pad1): length 5.7
  Top w0.25: SWRet1.3 284.94,59.77
Net-(R55-Pad1): length 3.1
  Top w0.25: SWTab1.3 36.91,76.7
Net-(R56-Pad1): length 3.1
  Top w0.25: SWFn2.3 103.59,127.74
Net-(R57-Pad1): length 2.4
  Top w0.25: SWCps1.3 39.29,56.95
Net-(R58-Pad1): length 3.6
  Top w0.25: R58.1 160.74,127.49 SWFn4.3
Net-(R59-Pad1): length 3.2
  Top w0.25: SWRightSft1.3 272.66,38.73
Net-(R60-Pad1): length 2.3
  Top w0.25: SWBrk1.3 238.13,18.75
Net-(R61-Pad1): length 3.2
  Top w0.25: SWCtl1.3 92.87,19.66
Net-(R62-Pad1): length 2.3
  Top w0.25: SWLeftSft1.3 44.06,37.84
Net-(R63-Pad1): length 3.5
  Top w0.25: SWStart1.3 217.89,127.55 R63.1
Net-(R64-Pad1): length 3.5
  Top w0.25: R64.1 246.46,127.62 SWSelect1.3
Net-(R65-Pad1): length 3.1
  Top w0.25: SWOption1.3 275.05,127.73
Net-(R66-Pad1): length 3.5
  Top w0.25: SWReset1.3 303.61,127.62 R66.1

## Copper pours and planes (outline as drawn; the poured copper is in the pictures)
LED_GND on Top, Bottom: 330.4,-0.84 -1.6,-1.32 -1.6,131.68 330.4,131.68

## Text on the board
B.Silkscreen: 6 ROW 8 | 14 - ROW 2 | 15 - ROW 4 | 6 - ROW 8 | 18 - ROW 6 | 2 POW LED | 4 COL 2 | 8 COL 3 | 10 COL 5 | 12 ROW 3 | 14 ROW 2 | 16 COL 8 | 18 ROW 6 | 20 COL 9 | 22 SELECT | 24 RESET | (6,20) | (7,19) | (7,20) | (7,16) | (6,19) | (6,16) | (5,4) | (6,4) | (3,21) | (13,20) | (3,22) | (3,23) | (3,24) | 6 | F4 | 7 | F2 | F3 | F1 | 16 | 19 | 13 - ROW 1 | 12 - ROW 3 | 7 - ROW 5 | 5 - ROW 7 | 5V 1 | GND 3 | ROW 7 5 | ROW 5 7 | COL 4 9 | COL 6 11 | ROW 1 13 | ROW 4 15 | COL 7 17 | COL 1 19 | START 21 | OPTN 23 | (18,16) | 16 - COL 8 | 17 - COL 7 | 11 - COL 6 | 10 - COL 5 | 9 - COL 4 | 8 - COL 3 | 4 - COL 2 | 19 - COL 1 | Decent XE Keyboard rev. 16.1 Modern © Bertrand Le Roy 2026 / github.com/bleroy/3d-junkyard/tree/main/DecentXE / atariage.com/forums/profile/76850-screamingattheradio/ / youtube.com/@ScreamingAtTheRadio / twitch.tv/screamingattheradio | Set | _ | \ | | | ^ | Caps | Control | Space | Break | Del | Return | Help | Start | Select | Option | Reset | Clr | Esc | Shift | ! | Q | A | {dblquote} | Z | W | S | # | X | E | D | $ | C | R | F | % | V | T | G | & | B | Y | H | N | U | J | M | I | K | [ | ( | O | L | ] | ) | P | : | Clear | ? | Insert | 1 | 2 | 3 | 4 | 5 | 8 | 9 | 0 | Tab | , | . | ; | / | - | + | = | ' | @ | < | > | *
F.Silkscreen: 5 | 10 | 15 | 20 | 25 | Backlight | 1 5V | GND | 5 ROW 7 | 7 ROW 5 | 9 COL 4 | 11 COL 6 | 13 ROW 1 | 15 ROW 4 | 17 COL 7 | 19 COL 1 | 21 START | 23 OPTION | (18,16) | 6 | F4 | 7 | F2 | F3 | F1 | 16 | 19 | ROW 8 6 | POW LED 2 | COL 2 4 | COL 3 8 | COL 5 10 | ROW 3 12 | ROW 2 14 | COL 8 16 | ROW 6 18 | COL 9 20 | SELECT 22 | RESET 24 | Decent XE Keyboard rev. 16.1 Modern © Bertrand Le Roy 2026 / github.com/bleroy/3d-junkyard/tree/main/DecentXE / atariage.com/forums/profile/76850-screamingattheradio/ / twitch.tv/screamingattheradio / youtube.com/@ScreamingAtTheRadio | Clr | Shift | Esc | ! | Q | A | {dblquote} | Z | W | S | # | X | E | D | $ | C | R | F | % | V | T | G | & | B | Y | H | N | U | J | M | I | K | ( | [ | O | L | ) | ] | P | : | Clear | ? | Insert | Caps | 1 | 2 | 3 | Control | 4 | Space | 8 | 9 | 0 | Break | Del | Return | Tab | , | . | ; | / | - | + | = | Set | Help | Start | _ | Select | \ | | | ^ | Option | Reset | ' | @ | < | > | *
